# Altium PCB ZYNQ7010_AD9363.PcbDoc (part 3 of 5)
Units mil, origin at the board's own origin, x right, y up, seen from the top; angles counter-clockwise.
Board outline 2907.03 x 3814.03 mil, 4 copper layers (Top Layer, Mid-Layer 1, Mid-Layer 2, Bottom Layer); 280 components, 271 nets, 1467 pads, 976 vias.
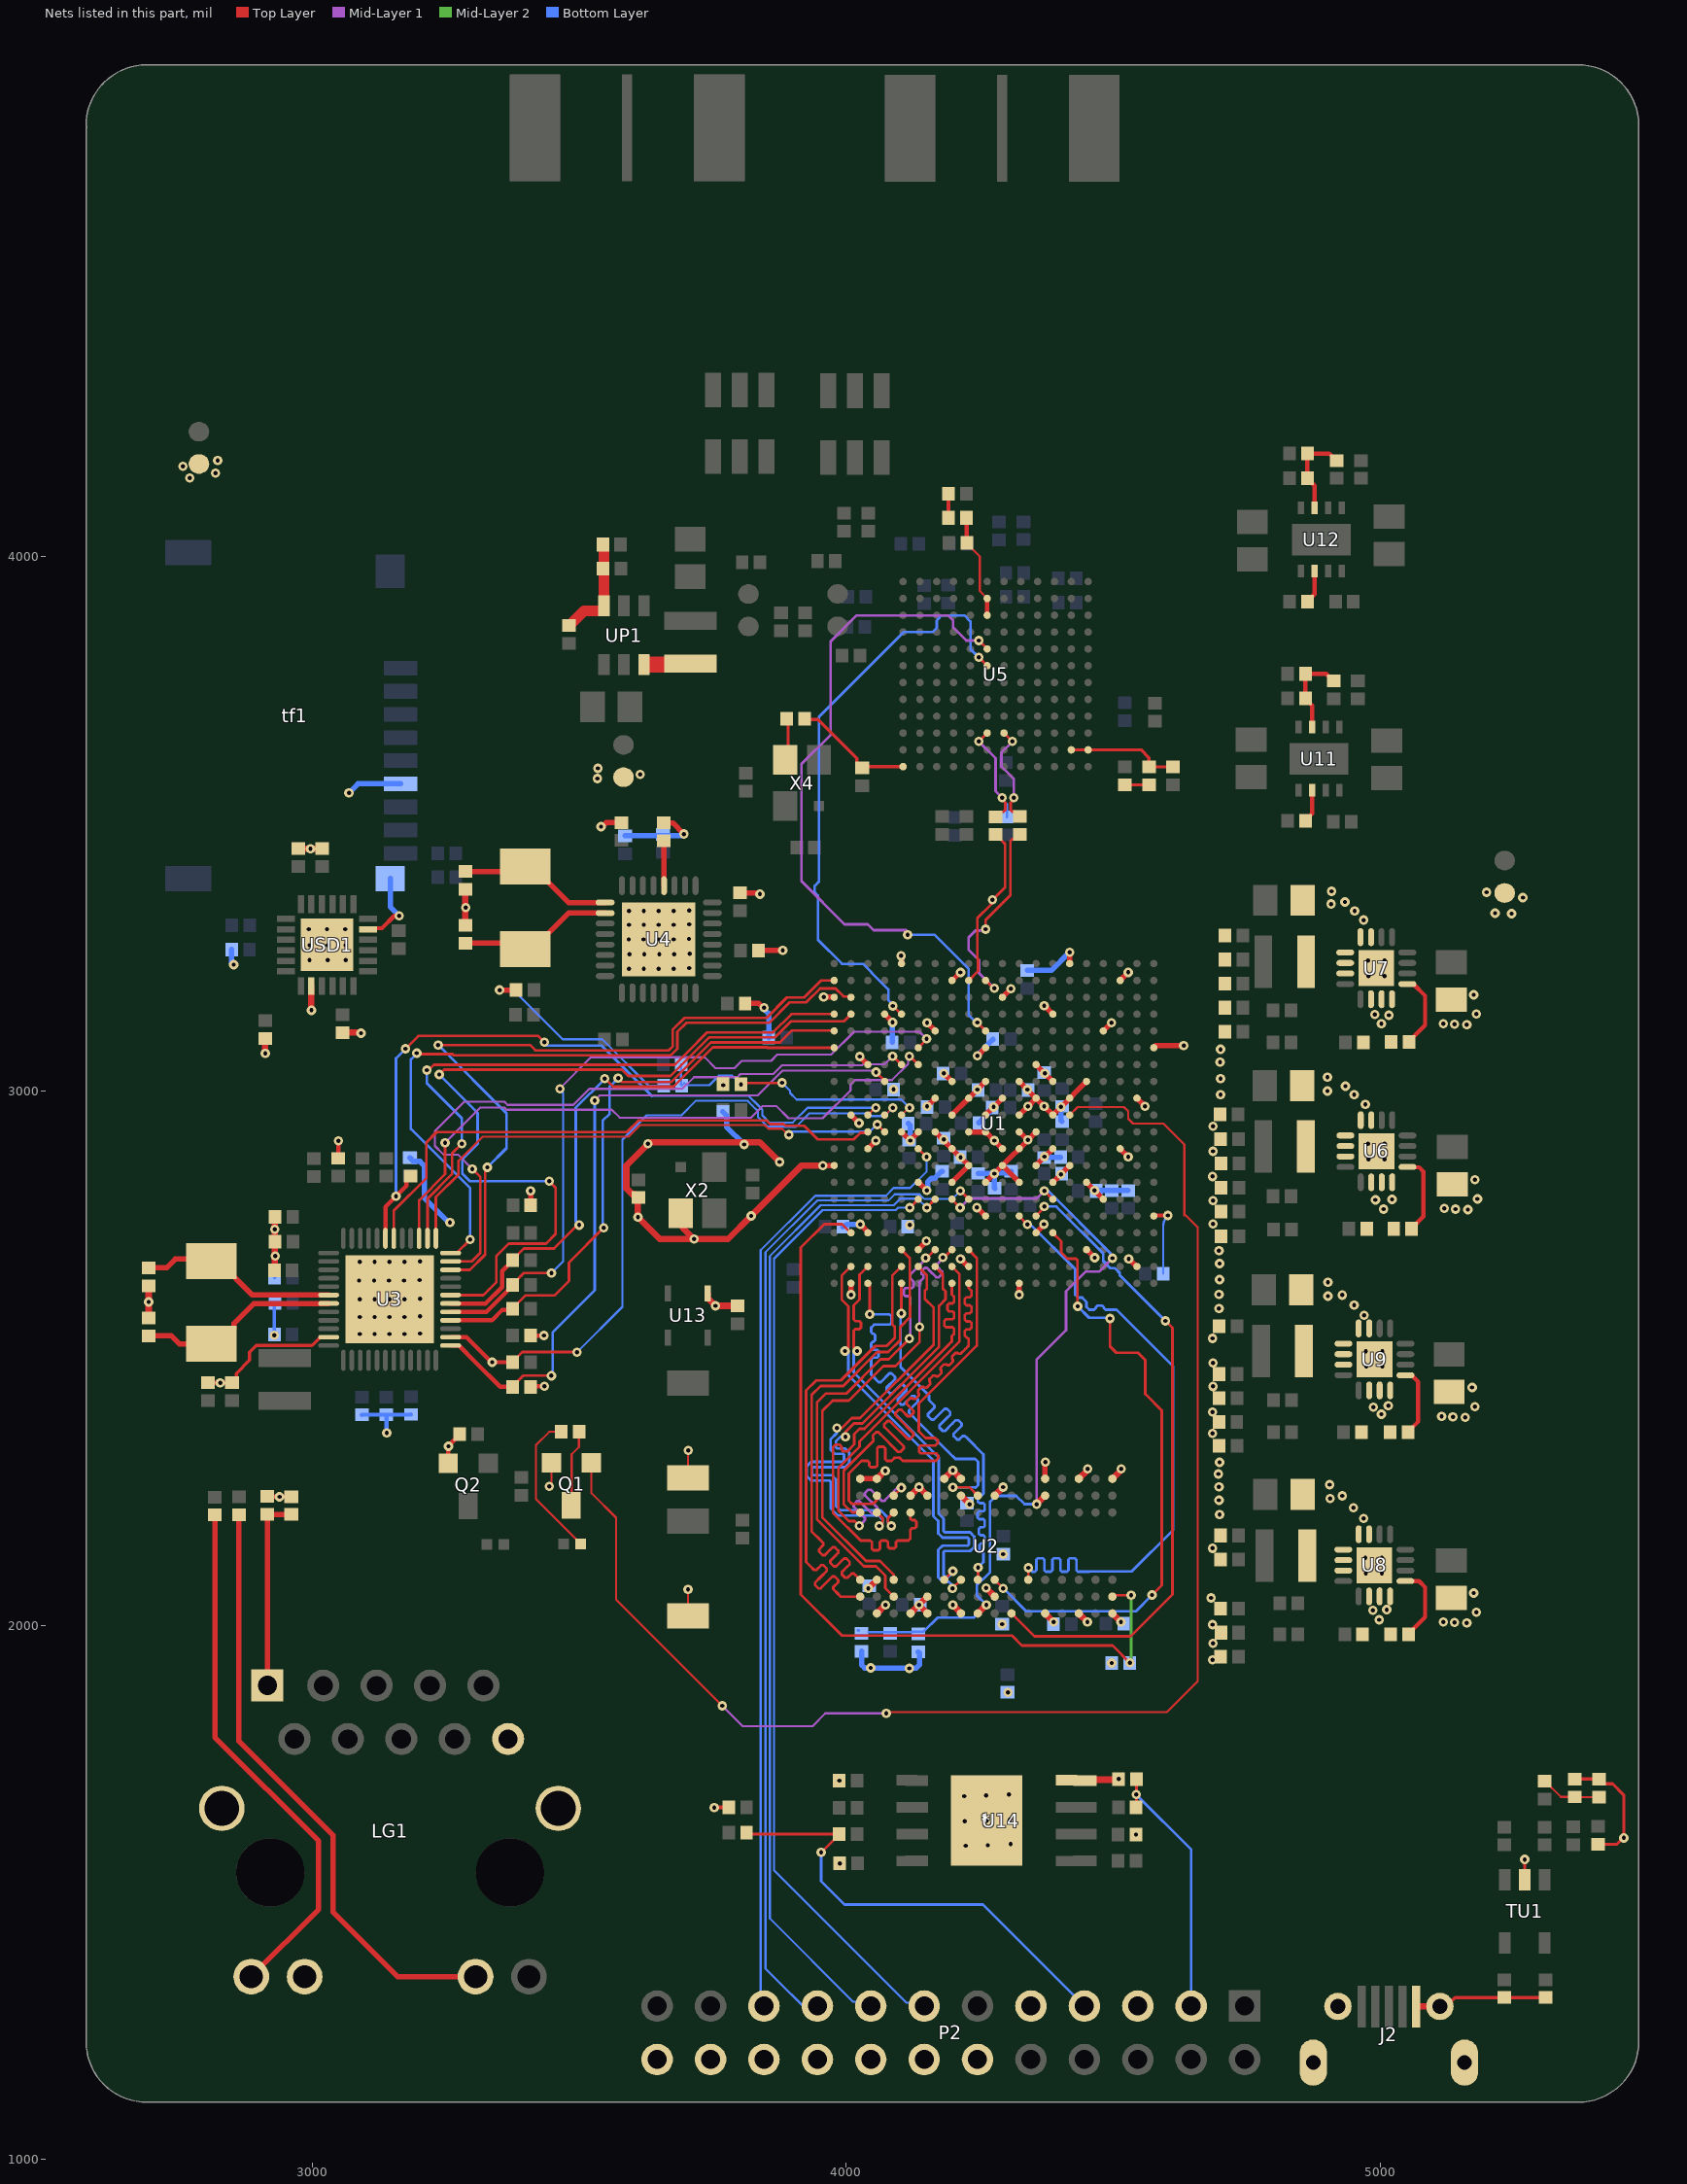
[diagram p5: the nets of this part, all layers, seen from the top]

## Via types
v1: diameter 17.72, hole 7.87, Top Layer to Bottom Layer, tented both sides, 960 vias
v2: diameter 19.68, hole 11.81, Top Layer to Bottom Layer, 16 vias

## Nets (pads, with @x,y where several pads share a name; then routed paths per layer and width w, separated by ;. In a path a pad name is that pad's centre, name@x,y a point inside that pad or via, vN(x,y) a via of type N, cw(c..) or ccw(c..) an arc to the next point about the centre after c; other vN are vias at no path point) (continued)
DDR3_DQ6: U1.C1 U2.H8 | length 837.6
  Top Layer w5: U1.C1@4040.16,2639.86 4044.22,2635.8 v1(4044.22,2581.76) ; v1(4199.64,2257.86) 4231.12,2257.86 U2.H8@4246.5,2242.49
  Bottom Layer w5: v1(4044.22,2581.76) 4080.96,2581.76 4085.14,2577.58 4085.14,2566.49 4081.22,2562.57 4052.19,2562.57 4046.76,2557.14 4046.76,2553.21 4046.76,2548.71 4049.76,2545.71 4051.13,2545.71 4054.13,2542.71 4054.13,2533.71 4051.13,2530.71 4049.76,2530.71 4046.76,2527.71 4046.76,2518.71 4049.76,2515.71 4057.49,2515.71 4060.49,2512.71 4060.49,2503.71 4057.49,2500.71 4049.76,2500.71 4046.76,2497.71 4046.76,2485.71 4046.76,2470.71 4046.76,2468.9 4052.06,2463.59 4060.55,2455.11 4064.79,2455.11 4080.94,2471.25 4085.18,2471.25 4091.54,2464.89 4091.54,2460.65 4075.4,2444.5 4075.4,2440.26 4081.76,2433.9 4086,2433.9 4102.15,2450.04 4106.39,2450.04 4112.76,2443.68 4112.76,2439.43 4096.61,2423.29 4096.61,2419.05 4102.97,2412.68 4107.22,2412.68 4123.36,2428.83 4127.6,2428.83 4133.97,2422.46 4133.97,2418.22 4117.82,2402.08 4117.82,2397.83 4126.31,2389.35 4191.79,2323.87 4204.58,2311.08 4241.59,2311.08 4246.8,2305.86 4246.8,2262.4 4242.07,2257.67 4241.88,2257.86 v1(4199.64,2257.86)
DDR3_DQ7: U1.E1 U2.H3 | length 832.7
  Top Layer w5: v1(4103.15,2583.45) U1.E1@4103.15,2639.86 ; U2.H3@4246.5,2085 4247.06,2085.56 v1(4247.06,2107.7)
  Bottom Layer w5: v1(4103.15,2583.45) 4101.89,2582.19 4101.89,2483.16 4155.14,2429.92 4155.14,2421.39 4156.65,2419.87 4165.13,2411.39 4165.13,2407.15 4153.38,2395.39 4153.38,2391.15 4159.75,2384.79 4163.99,2384.79 4177.86,2398.66 4184.19,2404.98 4188.43,2404.98 4194.79,2398.62 4194.79,2394.38 4188.47,2388.05 4174.6,2374.18 4174.6,2369.94 4180.96,2363.57 4185.2,2363.57 4199.08,2377.45 4205.4,2383.77 4209.64,2383.77 4216.01,2377.41 4216.01,2373.16 4209.68,2366.84 4201.12,2358.28 4201.12,2354.04 4207.49,2347.67 4211.73,2347.67 4218.17,2354.11 4222.41,2354.11 4225.59,2350.93 4256.8,2319.72 4256.8,2258.06 4256.8,2246.3 4253.8,2243.3 4249.67,2243.3 4246.67,2240.3 4246.67,2231.3 4249.67,2228.3 4256.8,2228.3 4259.44,2225.66 4259.44,2215.94 4256.8,2213.3 4249.12,2213.3 4246.12,2210.3 4246.12,2201.3 4249.12,2198.3 4256.8,2198.3 4259.44,2195.66 4259.44,2185.94 4256.8,2183.3 4251.3,2183.3 4248.3,2180.3 4248.3,2171.3 4251.3,2168.3 4256.8,2168.3 4259.44,2165.66 4259.44,2155.94 4256.8,2153.3 4252.85,2153.3 4249.85,2150.3 4249.85,2141.3 4252.85,2138.3 4253.8,2138.3 4256.8,2135.3 4256.8,2130.8 4256.8,2118.01 4247.06,2108.26 v1(4247.06,2107.7)
DDR3_DQ8: U1.E2 U2.A2 | length 895.7
  Top Layer w5: U2.A2@4026.02,2053.51 3989.72,2053.51 3984.41,2058.82 3975.93,2067.3 3975.93,2071.54 3984.88,2080.5 3984.88,2084.74 3978.52,2091.1 3974.27,2091.1 3963.2,2080.03 3952.12,2068.95 3947.88,2068.95 3941.52,2075.32 3941.52,2079.56 3952.59,2090.64 3963.67,2101.71 3963.67,2105.95 3957.3,2112.32 3953.06,2112.32 3944.11,2103.36 3939.86,2103.36 3931.38,2111.85 3925.06,2118.17 3925.06,2122.44 3925.06,2439.47 3943.8,2458.22 3990,2458.22 4054.54,2522.76 4075.79,2522.76 4090.88,2537.85 4090.88,2558.39 4086.59,2562.67 4086.59,2654.79 U1.E2@4103.15,2671.35
DDR3_DQ9: U1.E3 U2.A3 | length 895.7
  Top Layer w5: U2.A3@4026.02,2085 4017.56,2093.47 4014.38,2096.65 4010.13,2096.65 4002.36,2088.87 3998.11,2088.87 3991.75,2095.23 3991.75,2099.48 4001.65,2109.38 4006.45,2114.18 4006.45,2118.42 4000.09,2124.78 3995.84,2124.78 3991.04,2119.98 3981.14,2110.08 3976.9,2110.08 3970.54,2116.45 3970.54,2120.69 3980.44,2130.59 3985.24,2135.39 3985.24,2139.63 3978.87,2146 3974.63,2146 3969.83,2141.2 3959.93,2131.3 3955.69,2131.3 3949.32,2137.66 3949.32,2141.9 3957.1,2149.68 3957.1,2153.92 3951.68,2159.34 3935.18,2175.85 3935.18,2430.84 3952.09,2447.76 3994.43,2447.76 4058.05,2511.38 4078.75,2511.38 4100.88,2533.51 4100.88,2558.04 4119.51,2576.67 4119.51,2583.1 4119.59,2583.18 4119.59,2598.01 4119.11,2598.49 4119.11,2686.88 U1.E3@4103.15,2702.85
DDR3_DQ10: U1.G3 U2.C2 | length 885.1
  Top Layer w5: U2.C2@4089.02,2053.51 4073.12,2069.4 4073.12,2092.87 4055.88,2110.12 4033.14,2110.12 3945.18,2198.08 3945.18,2417.03 3961.64,2433.5 3999.97,2433.5 4064.23,2497.76 4079.78,2497.76 v1(4118.25,2536.23) ; v1(4148.6,2687.46) 4150.47,2687.46 4153.98,2683.94 4153.98,2690.69 U1.G3@4166.14,2702.85
  Mid-Layer 1 w5: v1(4118.25,2536.23) 4120.16,2538.15 4120.16,2610.21 4120.16,2612.93 4117.16,2615.93 4110.68,2615.93 4107.68,2618.93 4107.68,2627.93 4110.68,2630.93 4120.16,2630.93 4123.16,2630.93 4126.16,2633.93 4126.16,2642.93 4123.16,2645.93 4120.16,2648.93 4120.16,2653.43 4120.16,2656.87 4151.23,2687.94 4150.59,2688.58 4150.51,2688.5 4150.66,2688.35 4149.77,2687.46 v1(4148.6,2687.46)
DDR3_DQ11: U1.H3 U2.C3 | length 873.1
  Top Layer w5: U2.C3@4089.02,2085 4089.02,2094.42 4063.31,2120.12 4037.28,2120.12 3955.18,2202.22 3955.18,2400.85 3974.64,2420.31 4005.05,2420.31 4069.75,2485 4092.27,2485 4137.15,2529.88 v1(4137.15,2558.01) ; v1(4180.95,2688.32) 4180.95,2688.05 4181.9,2687.11 U1.H3@4197.64,2702.85
  Mid-Layer 1 w5: v1(4137.15,2558.01) 4137.15,2641.94 4136.94,2642.15 4140.47,2645.68 4144.69,2649.9 4144.69,2654.14 4140.87,2657.97 4140.87,2662.21 4147.23,2668.57 4151.47,2668.57 4157.42,2662.63 4168.83,2651.22 4173.07,2651.22 4179.43,2657.58 4179.43,2661.83 4170.15,2671.11 4170.15,2675.36 4173.33,2678.54 4180.95,2686.16 v1(4180.95,2688.32)
DDR3_DQ12: U1.J3 U2.B8 | length 896.1
  Top Layer w5: U2.B8@4057.05,2242.96 4057.05,2233.5 4050.61,2227.07 4010.91,2227.07 4005.18,2232.8 4005.18,2283.91 4028.82,2307.55 4031.68,2307.55 4039.99,2307.55 4042.99,2304.55 4042.99,2298.6 4045.99,2295.6 4054.99,2295.6 4057.99,2298.6 4057.99,2307.55 4057.99,2330.78 4060.99,2333.78 4069.99,2333.78 4072.99,2330.78 4072.99,2310.55 4075.99,2307.55 4084.99,2307.55 4087.99,2310.55 4090.99,2313.55 4099.99,2313.55 4102.99,2310.55 4105.99,2307.55 4117.99,2307.55 4125.49,2307.55 4167.75,2307.55 4172.57,2312.37 4172.57,2317.52 4168.55,2321.54 4139.71,2321.54 4136.88,2324.37 4136.88,2333.39 4139.89,2336.4 4166.91,2336.4 4171.24,2340.72 4171.24,2346.23 4167.07,2350.4 4148.89,2350.4 4136.17,2363.12 4136.17,2414.9 4244.58,2523.31 4244.58,2687.41 U1.J3@4229.14,2702.85
DDR3_DQ13: U1.H2 U2.C8 | length 873.1
  Top Layer w5: v1(4024.53,2185.93) 4015.72,2194.74 4005.08,2194.74 3985.18,2214.64 3985.18,2294.27 4025.09,2334.18 4025.09,2344.2 4212.03,2531.14 4212.03,2537.72 ; U2.C8@4089.02,2242.49 4103.14,2256.61 v1(4103.14,2257.39) ; U1.H2@4197.64,2671.35 4212.03,2656.96 4212.03,2615.01 4212.03,2537.73
  Mid-Layer 1 w5: v1(4024.53,2185.93) 4031.86,2193.26 4035.04,2196.44 4035.04,2200.69 4013.92,2221.81 4013.92,2226.05 4020.28,2232.42 4024.53,2232.42 4047.77,2209.17 4048.05,2208.89 4052.29,2208.89 4058.66,2215.26 4058.66,2219.5 4058.38,2219.78 4035.13,2243.02 4035.13,2247.27 4041.5,2253.63 4045.74,2253.63 4066.86,2232.51 4071.11,2232.51 4072.18,2233.58 4095.99,2257.39 v1(4103.14,2257.39)
DDR3_DQ14: U1.H1 U2.D7 | length 895.5
  Top Layer w5: U2.D7@4120.12,2211 4120.12,2204 4120.12,2199.5 4123.12,2196.5 4128.3,2196.5 4131.3,2193.5 4131.3,2184.5 4128.3,2181.5 4123.12,2181.5 4120.12,2178.5 4120.12,2178.43 4120.12,2162.29 4116.24,2158.41 4100.62,2158.41 4096.12,2158.41 4093.12,2155.41 4093.12,2147.01 4090.12,2144.01 4081.12,2144.01 4078.12,2147.01 4078.12,2155.41 4075.12,2158.41 4066.12,2158.41 4063.12,2155.41 4063.12,2143.12 4060.12,2140.12 4051.12,2140.12 4048.12,2143.12 4048.12,2155.41 4045.12,2158.41 4033.12,2158.41 4032.36,2158.41 4027.27,2158.41 3975.18,2210.5 3975.18,2332.87 3980.32,2338.01 3987.69,2338.01 3991.53,2334.16 3991.53,2328.36 3994.57,2325.33 4002.1,2325.33 4015.09,2338.32 4015.09,2357.8 4024.86,2367.57 4034.31,2367.57 4192.23,2525.49 4192.34,2525.59 4197.64,2530.9 4197.64,2541.19 4199.03,2542.58 4202.03,2545.58 4202.03,2554.58 4199.03,2557.58 4197.64,2557.58 4186.94,2557.58 4183.94,2560.58 4183.94,2569.58 4186.94,2572.58 4197.64,2572.58 4199.03,2572.58 4202.03,2575.58 4202.03,2584.58 4199.03,2587.58 4197.64,2587.58 4192.47,2587.58 4189.47,2590.58 4189.47,2599.58 4192.47,2602.58 4197.64,2602.58 4199.03,2602.58 4202.03,2605.58 4202.03,2614.58 4199.03,2617.58 4197.64,2618.97 4197.64,2625.08 U1.H1@4197.64,2639.86
DDR3_DQ15: U1.J1 U2.A7 | length 893.3
  Top Layer w5: U2.A7@4026.02,2211 4011.13,2211 3995.18,2226.95 3995.18,2288.95 4050.03,2343.8 4051.13,2344.9 4051.13,2349.14 4049.77,2350.5 4049.77,2354.74 4056.13,2361.11 4060.37,2361.11 4063.85,2357.63 4097.09,2324.39 4101.33,2324.39 4107.7,2330.76 4107.7,2335 4074.46,2368.23 4070.98,2371.71 4070.98,2375.96 4077.34,2382.32 4081.59,2382.32 4085.07,2378.84 4115.57,2348.34 4119.81,2348.34 4126.17,2354.7 4126.17,2358.95 4095.67,2389.45 4092.19,2392.93 4092.19,2397.17 4098.56,2403.53 4102.8,2403.53 4106.28,2400.05 4115.57,2390.77 4119.81,2390.77 4126.17,2397.13 4126.17,2401.37 4116.89,2410.66 4113.41,2414.14 4113.41,2418.38 4119.77,2424.75 4124.01,2424.75 4125.37,2423.39 4129.62,2423.39 4135.98,2429.75 4135.98,2433.99 4134.62,2435.35 4134.62,2439.6 4140.98,2445.96 4145.23,2445.96 4146.59,2444.6 4150.83,2444.6 4157.19,2450.96 4157.19,2455.21 4155.83,2456.57 4155.83,2460.81 4162.2,2467.17 4166.44,2467.17 4167.8,2465.81 4172.04,2465.81 4178.41,2472.18 4178.41,2476.42 4177.05,2477.78 4177.05,2482.02 4183.41,2488.39 4187.65,2488.39 4189.01,2487.03 4193.26,2487.03 4199.62,2493.39 4199.62,2497.63 4198.26,2498.99 4198.26,2503.24 4204.62,2509.6 4208.87,2509.6 4210.23,2508.24 4214.47,2508.24 4222.95,2516.72 4228.26,2522.03 4229.14,2522.91 4229.14,2523.87 4229.14,2535.87 4226.14,2538.87 4225.03,2538.87 4222.03,2541.87 4222.03,2550.87 4225.03,2553.87 4229.14,2553.87 4231.58,2553.87 4234.58,2556.87 4234.58,2565.87 4231.58,2568.87 4229.14,2568.87 4225.03,2568.87 4222.03,2571.87 4222.03,2580.87 4225.03,2583.87 4229.14,2583.87 4231.58,2583.87 4234.58,2586.87 4234.58,2595.87 4231.58,2598.87 4229.14,2598.87 4225.03,2598.87 4222.03,2601.87 4222.03,2610.87 4225.03,2613.87 4229.14,2613.87 4231.58,2613.87 4234.58,2616.87 4234.58,2625.87 4231.58,2628.87 4229.14,2631.31 4229.14,2636.37 U1.J1@4229.14,2639.86
DDR3_DQS0_N: U1.B2 U2.G3 | length 830.8
  Top Layer w5: v1(3997.68,2513.15) 4004.04,2519.51 4004.04,2597.09 3991.56,2609.57 3991.56,2654.25 U1.B2@4008.66,2671.35 ; v1(4198.95,2068.95) U2.G3@4215,2085
  Bottom Layer w5: v1@4004.04,2513.15 4004.04,2489.71 4004.05,2467.78 4163.2,2308.63 4163.2,2204.18 4172.26,2195.11 4172.26,2171.8 4180.19,2163.87 4227.78,2163.87 4229.85,2161.8 4229.85,2150.95 4227.78,2148.87 4180.19,2148.87 4172.26,2140.95 4172.26,2089.74 4180.86,2081.14 4192.22,2081.14 4198.95,2074.41 v1(4198.95,2068.95)
DDR3_DQS0_P: U1.C2 U2.F3 | length 837.4
  Top Layer w5: v1(4020.4,2513.15) 4014.04,2519.51 4014.04,2531.82 4014.04,2539.32 4014.04,2551.32 4017.04,2554.32 4024.58,2554.32 4027.58,2557.32 4027.58,2566.32 4024.58,2569.32 4017.04,2569.32 4014.04,2572.32 4014.04,2574.74 4014.04,2598.42 4025.2,2609.57 4025.2,2656.38 U1.C2@4040.16,2671.35 ; U2.F3@4183.5,2085 v1(4199.55,2101.05)
  Bottom Layer w5: v1(4020.4,2513.15) 4014.21,2513.15 4014.04,2513.32 4014.04,2493.85 4014.05,2473.32 4173.2,2314.18 4173.2,2208.32 4182.26,2199.25 4182.26,2175.95 4184.33,2173.87 4231.92,2173.87 4239.85,2165.95 4239.85,2146.8 4231.92,2138.87 4184.33,2138.87 4182.26,2136.8 4182.26,2093.88 4185,2091.14 4192.22,2091.14 4199.55,2098.48 v1(4199.55,2101.05)
DDR3_DQS1_N: U1.F2 U2.B7 | length 837.2
  Top Layer w5: v1(3982.67,2368.84) 3991.66,2368.84 4007.45,2384.64 4010.38,2387.57 4026.03,2387.57 4163.94,2525.48 4163.94,2593.92 4147.38,2610.48 4147.38,2626.25 4151.01,2629.89 4151.01,2654.99 U1.F2@4134.65,2671.35 ; U2.B7@4057.52,2211 4068.27,2200.25 4068.27,2191.92 v1(4061.91,2185.56)
  Bottom Layer w5: v1(3982.67,2368.84) 3982.67,2359.85 3970.74,2347.93 3970.74,2328.79 3978.67,2320.86 3993.89,2320.86 3995.96,2318.79 3995.96,2307.93 3993.89,2305.86 3934.2,2305.86 3926.28,2297.93 3926.28,2278.79 3934.2,2270.86 3968.67,2270.86 3970.74,2268.79 3970.74,2219 3984.28,2205.47 4060.16,2205.47 4068.27,2197.36 4068.27,2191.92 v1(4061.91,2185.56)
DDR3_DQS1_P: U1.G2 U2.C7 | length 835.2
  Top Layer w5: v1(3998.73,2352.78) 3998.73,2361.77 4014.52,2377.57 4030.17,2377.57 4037.64,2385.04 4173.94,2521.34 4173.94,2598.19 4185.87,2610.12 4185.87,2625.14 4181.04,2629.97 4181.04,2656.45 U1.G2@4166.14,2671.35 ; v1(4084.63,2185.56) 4078.27,2191.92 4078.27,2200.25 U2.C7@4089.02,2211
  Bottom Layer w5: v1(3998.73,2352.78) 3989.74,2352.78 3980.74,2343.79 3980.74,2332.93 3982.82,2330.86 3998.03,2330.86 4005.96,2322.93 4005.96,2303.79 3998.03,2295.86 3938.35,2295.86 3936.28,2293.79 3936.28,2282.93 3938.35,2280.86 3972.82,2280.86 3980.74,2272.93 3980.74,2223.14 3988.42,2215.47 4064.31,2215.47 4078.27,2201.5 4078.27,2191.92 v1(4084.63,2185.56)
DDR3_ODT: U1.N5 U2.K1 | length 1220
  Top Layer w5: U2.K1@4309.49,2022 4352.54,1978.95 4532.58,1978.95 4610.87,2057.24 4610.87,2556.58 v1(4597.73,2569.72) ; U1.N5@4355.12,2765.84 4370.87,2781.59 v1(4370.87,2783.74)
  Bottom Layer w5: v1(4370.87,2783.74) 4393.25,2783.74 4481.17,2695.83 4481.17,2681.9 4494.9,2668.17 4503.24,2668.17 4512.24,2659.17 4512.24,2655.21 v1(4597.73,2569.72)
DDR3_RAS: U1.P4 U2.J3 | length 1153.4
  Top Layer w5: U2.J3@4277.99,2085 v1(4294.04,2068.95) ; U1.P4@4386.62,2734.35 4402.51,2718.45 4402.51,2697.72 4414.35,2685.88 4430.07,2685.88 4433,2682.95 4433,2605.14 v1@4429.75,2601.89 ; v1(4493.91,2574.27) 4493.91,2521.89 4505.85,2509.95 4546.48,2509.95 4560.02,2496.4 4560.02,2432.03 4560.65,2432.03 4590.87,2401.8 4590.87,2074.52 v1(4572.72,2056.36)
  Bottom Layer w5: v1(4294.04,2068.95) 4337.02,2025.97 4542.33,2025.97 v1(4572.72,2056.36) ; v1(4433.55,2596.77) 4454.78,2575.54 4492.64,2575.54 v1(4493.91,2574.27)
DDR3_RESET: R1.1 U1.B4 U2.T2 | length 1601
  Top Layer w5: U1.B4@4008.66,2734.35 3992.18,2750.83 3959.02,2750.83 3915.06,2706.87 3915.06,2057.37 3991.88,1980.55 4310.41,1980.55 4329.09,1961.86 4498.8,1961.86 v1(4531.23,1929.43) ; U2.T2@4498.46,2053.51 4500.96,2056.01 v1(4533.57,2056.01)
  Mid-Layer 2 w5: v1(4531.23,1929.43) 4533.57,1931.77 v1(4533.57,2056.01)
DDR3_VREF: C1.1 R4.1 R5.2 U1.H6 U1.P6 U2.H1 U2.M8 | length 1533.1
  Top Layer w5: U1.H6@4197.64,2797.34 v1(4213.38,2781.6) ; v1(4370.88,2813.08) U1.P6@4386.62,2797.34
  Top Layer w12: U2.H1@4246.5,2022 v1(4262.55,2038.05) ; v1(4356.43,2226.44) U2.M8@4372.48,2242.49
  Mid-Layer 1 w5: v1(4213.38,2781.6) 4230.78,2799 4356.8,2799 v1(4370.88,2813.08) ; v1(4356.43,2226.44) 4356.43,2496.89 4411.64,2552.1 4411.64,2625.02 4448.38,2661.76 4473.42,2661.76 v1(4498.56,2686.9) v1@4500.67,2689.01
  Bottom Layer w5: R5.2@4021.91,1990.68 4023.03,1990.68 R5.2@4023.03,1989.81 ; 4042.03,1986.95 4085,1986.95 4097,1986.95 C1.1@4123.75,1986.95 ; C1.1@4123.83,1987.92 4144.84,1987.92 4171.14,2014.22 4238.72,2014.22 v1(4262.55,2038.05) 4244.67,2055.93 4244.67,2075.42 4255.17,2085.92 4255.81,2085.92 4269.44,2099.55 4269.44,2231.12 4280.5,2242.18 4318.26,2242.18 4334,2226.44 v1(4356.43,2226.44) ; v1(4370.88,2813.08) 4378.06,2813.08 4494.9,2696.24 4494.9,2690.56 v1(4498.56,2686.9)
DDR3_WE: U1.M5 U2.L3 | length 1212
  Top Layer w5: U1.M5@4323.62,2765.84 v1(4339.36,2750.1) ; U2.L3@4340.98,2085 v1(4340.98,2107.49)
  Bottom Layer w5: v1(4339.36,2750.1) 4345.14,2750.1 4428.8,2666.45 4428.8,2618.39 4434.05,2613.13 4442,2613.13 4450.06,2605.07 4450.06,2595.66 4455.02,2590.7 4459.86,2590.7 4464.36,2590.7 4467.36,2593.7 4467.36,2595.05 4470.36,2598.05 4479.36,2598.05 4482.36,2595.05 4482.36,2593.7 4485.36,2590.7 4495.52,2590.7 4505.97,2590.7 4611.87,2484.8 4611.87,2177.67 4534.81,2100.62 4455.41,2100.62 4454.97,2100.17 4446.01,2100.17 4434.01,2100.17 4431.01,2103.17 4431.01,2122.41 4428.01,2125.41 4419.01,2125.41 4416.01,2122.41 4416.01,2103.17 4413.01,2100.17 4404.01,2100.17 4401.01,2103.17 4401.01,2122.41 4398.01,2125.41 4389.01,2125.41 4386.01,2122.41 4386.01,2103.17 4383.01,2100.17 4374.01,2100.17 4371.01,2103.17 4371.01,2122.41 4368.01,2125.41 4359.01,2125.41 4356.01,2122.41 4356.01,2103.17 4353.01,2100.17 4348.51,2100.17 4341.19,2107.49 v1(4340.98,2107.49)
EN_AGC: U1.K16 U5.G5 | length 1332.5
  Top Layer w5: v1(4245.31,3128.18) U1.K16@4261.05,3112.44 ; v1(4248.25,3843.37) U5.G5@4264,3827.61
  Mid-Layer 1 w5: 3971,3669 3971,3842 4019.38,3890.38 4190.74,3890.38 4200.29,3880.83 4200.29,3867.88 4224.8,3843.37 v1(4248.25,3843.37) ; 3972.18,3667.82 3916.28,3611.91 3916.28,3392.64 3996.92,3312 4040.28,3312 4051.28,3301 4112.07,3301 4112.57,3300.5 4112.57,3295.07 v1(4115,3292.64)
  Bottom Layer w5: v1(4115,3292.64) 4165.08,3292.64 4229.36,3228.36 4229.36,3142.07 4243.25,3128.18 v1(4245.31,3128.18)
ENABLE: U1.E17 U5.G6 | length 1121.9
  Top Layer w5: v1(4087.13,3159.15) 4087.7,3159.15 4103.05,3143.8 U1.E17@4103.05,3143.44 ; v1(4248.25,3811.87) U5.G6@4264,3796.12
  Bottom Layer w5: v1(4087.13,3159.15) 4087.13,3161.87 4078.95,3170.05 4078.95,3190.05 4047.62,3221.38 4047.62,3221.63 4031.24,3238 3992.27,3238 3947,3283.27 3947,3366 3941,3372 3941,3384 3949,3392 3949,3700.84 4107.27,3859.1 4161.47,3859.1 4169.57,3867.2 4169.57,3880.83 4171,3882.26 4171,3882.6 4178.78,3890.38 4221.23,3890.38 4232.74,3878.87 4232.74,3827.38 v1(4248.25,3811.87)
ETH_MDC: U1.C10 U3.30 | length 1068.9
  Top Layer w5: U3.30@3153.01,2724.26 3153.01,2775.95 3214,2836.94 3214,2904 3233,2923 3589,2923 3610.7,2944.7 3851.01,2944.7 3857.72,2938 3883.27,2938 3886.27,2935 3920.73,2935 3946.38,2909.34 4014.02,2909.34 4026.45,2921.78 4038.83,2921.78 U1.C10@4040.51,2923.46
ETH_MDIO: R34.2 U1.C11 U3.31 | length 1415.8
  Top Layer w4: U1.C11@4040.51,2954.96 v1@4054.21,2968.66
  Top Layer w5: v1(3175,3079) 3199,3103 3423.36,3103 v1(3435,3091.36)
  Top Layer w8: U3.31@3137.26,2724.26 3137.26,2783.26 v1(3157.18,2803.18) 3176.58,2822.58 3176.58,2833.32 R34.2@3184,2840.74
  Bottom Layer w4: 3636,2991 3817.14,2991 3836.5,2971.64 3843.01,2965.12 3843.01,2954.3 3856.31,2941 3900,2941 3927.66,2968.66 v1(4055.59,2968.66)
  Bottom Layer w5: v1(3157.18,2803.18) 3157.18,3061.18 v1(3175,3079) ; v1(3435,3091.36) 3435,3087.93 3437.93,3085 3542,3085 3636,2991
ETH_RXCK: U1.B17 U3.19 | length 1606.8
  Top Layer w5: v1@3233.42,3026.42 v1(3238,3031) 3247,3040 3580,3040 3592,3028 3670.82,3028 3711,3068.18 3742.82,3100 3743.5,3100 3744.18,3100.68 3867.14,3100.68 3897,3130.54 3995.62,3130.54 U1.B17@4009.01,3143.93 ; U3.19@3259.31,2617.96 3320.75,2617.96 3331,2628.2 3345,2642.2 3345,2691.2 3368,2714.2 3438,2714.2 3455.9,2732.1 3455.9,2819.1 v1(3444,2831)